# KiCad board r1_panel.kicad_pcb (continued)
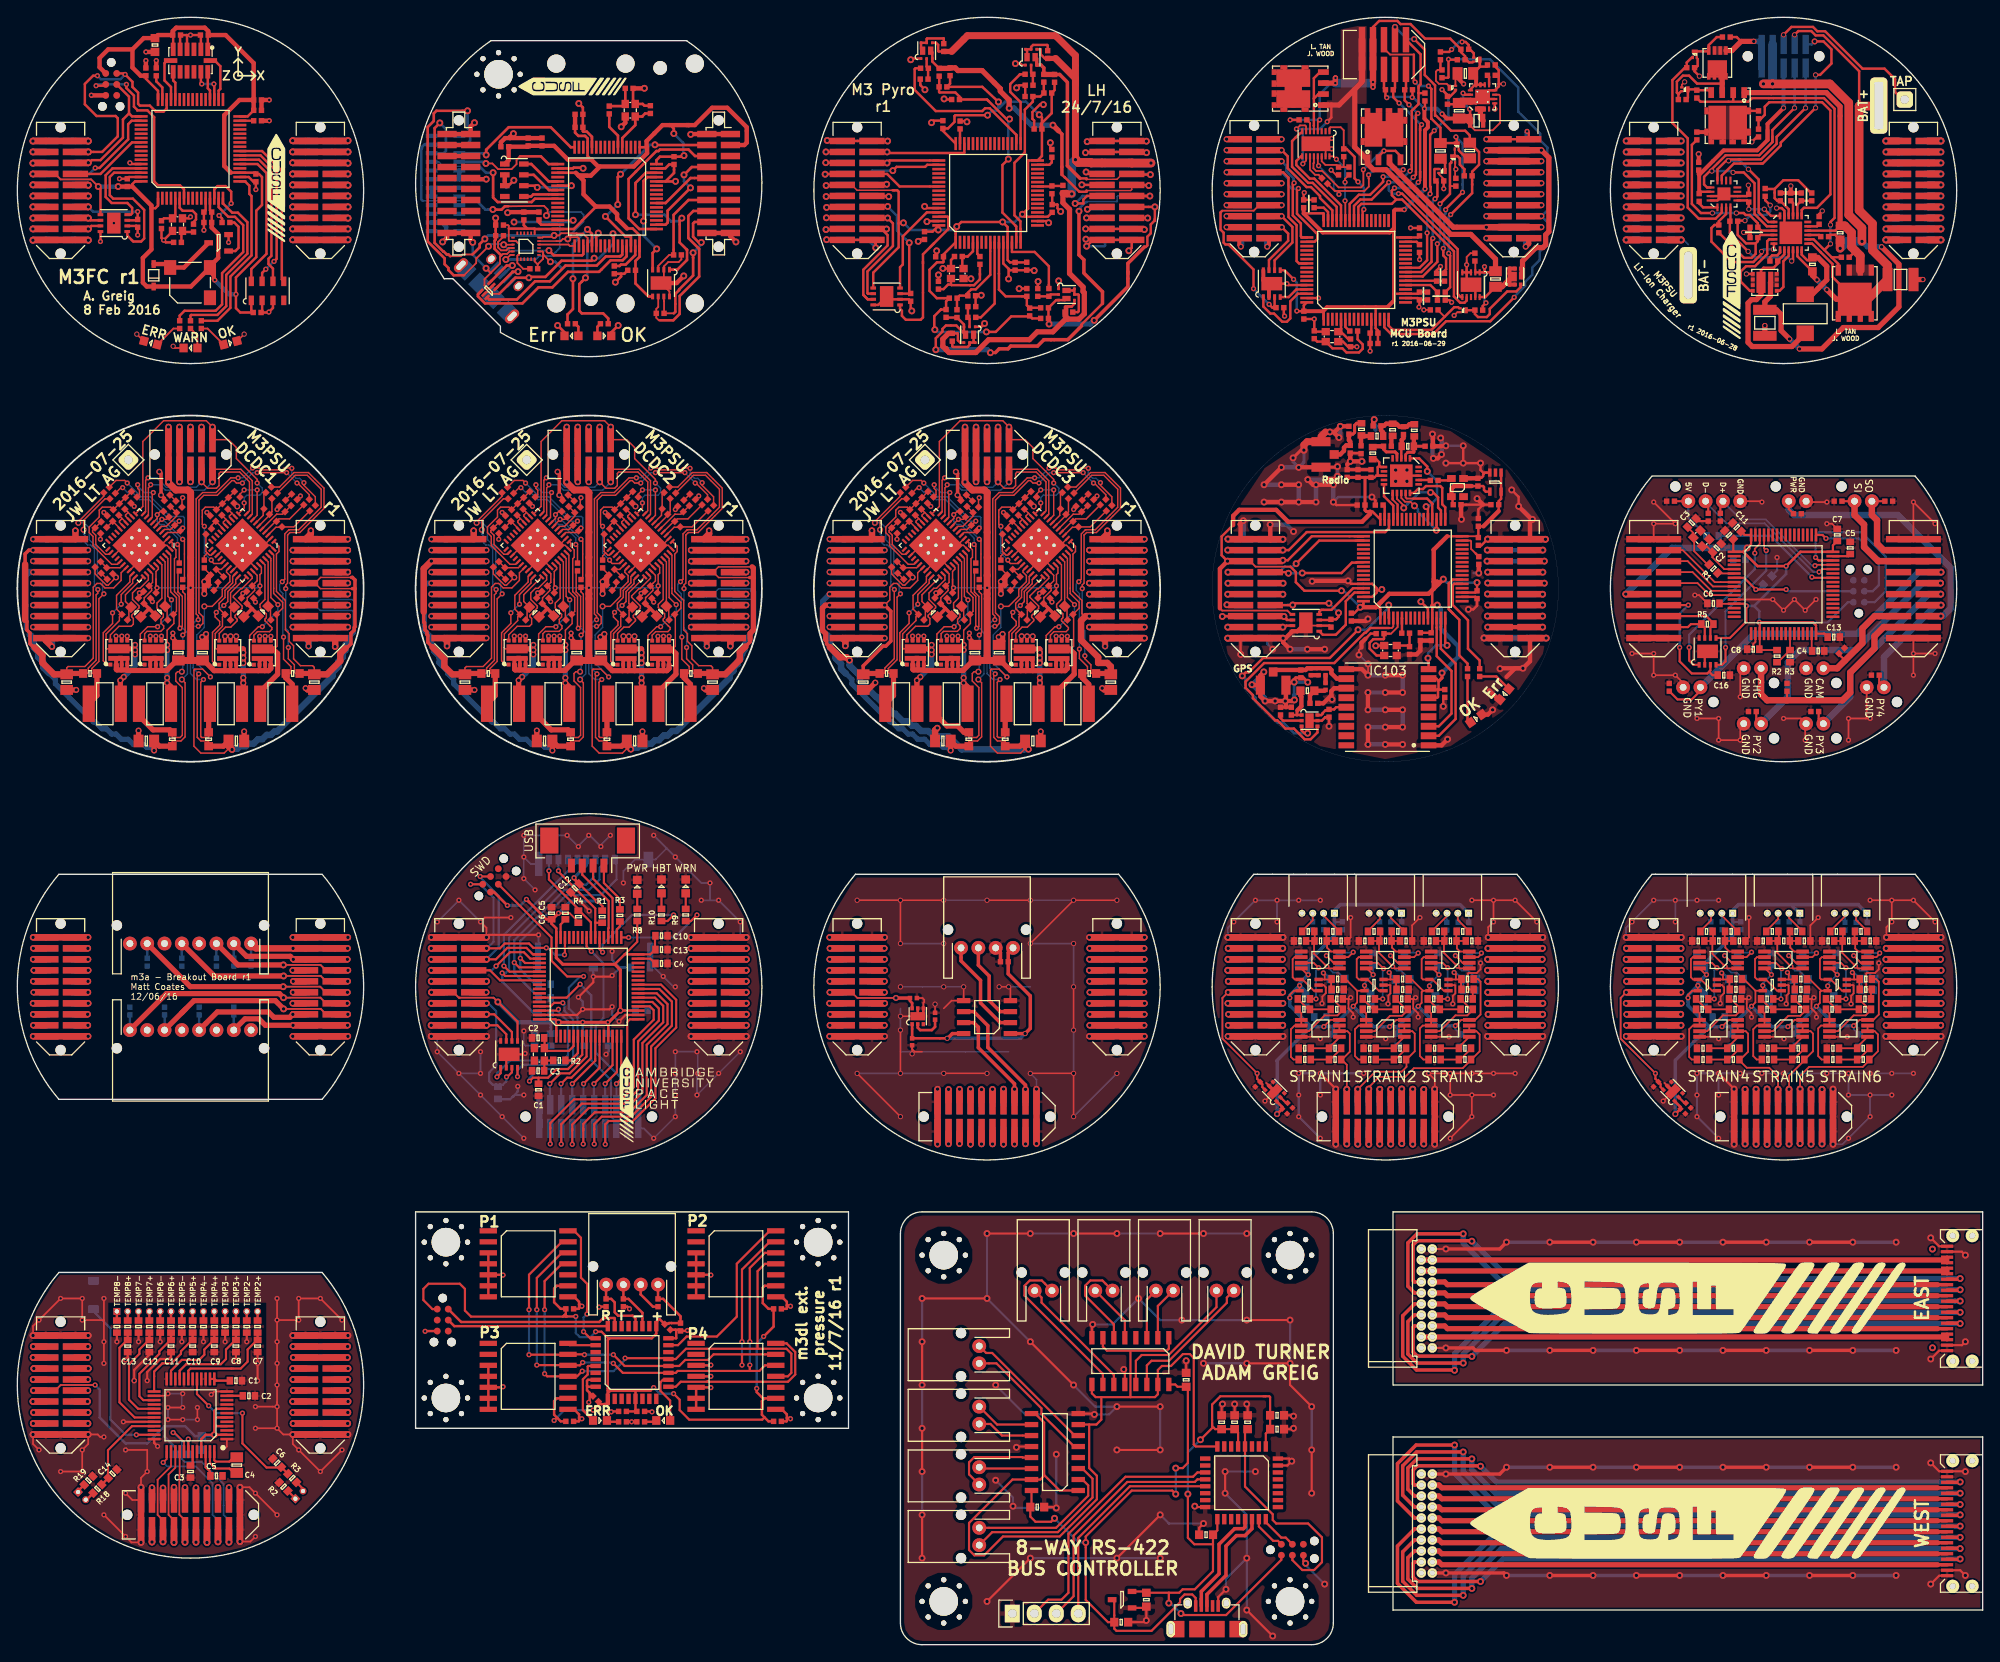
[diagram p0: board, top side]
## Routing (per net, layer and track width the routed paths; a pad name or vN(x,y) marks a point on that pad's centre or on a via; arc(x,y) is an arc through that point) (continued)
/BARO_SDI: length 23.1
  Top w0.28: v3(29.65,159.8) 29.95,160.1 29.95,170.19 28.09,172.05 IC1.23 ; IC2.7 28.28,158.47 v3(28.7,158.9)
  Top w0.3: IC1#11.23 61.41,168.04 59.65,169.8 IC3#4.7
  Bottom w0.28: v3(28.7,158.9) 29.6,159.8 v3(29.65,159.8)
/BARO_SDO: length 24.5
  Top w0.28: IC2.6 29.53,158.97 29.01,159.49 29.01,160.11 29.34,160.44 29.34,170.12 27.91,171.55 IC1.22
  Top w0.3: IC1#11.22 62.43,168.55 v1(64,168.55) ; IC3#4.6 59.85,168.55 v1(60.05,168.35)
  Bottom w0.3: v1(64,168.55) 63.8,168.35 v1(60.05,168.35)
/BATT1: length 66.8
  Top w0.2: 161.3,183.7 158.55,183.7 157.85,184.4 J3#2.6
  Top w0.28: 164.37,173.87 R14#8.1 ; R14#8.1 Q6.D 166.25,174.09 v3(166.16,174.18) ; R14#8.1 164.37,175.25 163.32,176.3 163.32,177.14 163.32,179.73 v3(162.99,180.06) ; v3(166.92,167.79) 164.98,165.85 ; 164.98,165.85 164.98,165.79 ; 164.98,165.85 164.98,165.78 v3(164.97,165.77) ; v3(161.45,180.52) 161.3,180.67 161.3,183.7 ; J3#6.1 217.75,178.5 216.88,179.37 216.88,180.85 215.66,182.07 213.12,182.07 208.8,186.39 207.9,186.39 207.4,186.89 204.91,186.89 v4(204,185.98) ; v3(164.7,161.3) 164.7,160.49 165.02,160.17 165.02,158.89 164.84,158.71 164.84,158.43
  Top w0.74: v2(20,140.68) J3#3.6 ; v2(66,140.68) J3#4.6 ; v2(112,140.68) J3#5.6
  Bottom w0.28: v3(166.16,174.18) 166.92,173.42 v3(166.92,167.79) ; v3(161.45,180.52) 161.91,180.06 v3(162.99,180.06) ; J6#11.6 v4(204,185.98) ; v3(164.97,165.77) 164.97,165.35 164.8,165.18 164.8,161.4 v3(164.7,161.3)
  Bottom w0.74: J6#9.6 v2(66,140.68) ; J6#10.6 v2(112,140.68) ; J6#8.6 v2(20,140.68)
/BATT1_MONITOR: length 4.5
  Top w0.28: 160.34,157.57 IC1#12.22 163.88,157.57 R20#4.1 R19#8.2
/BATT2: length 128.7
  Top w0.2: Q5#2.D 214.13,153.53 Q5#2.D ; Q5#2.D 212.86,154.8 Q5#2.D ; Q5#2.D 211.59,154.8 Q5#2.D ; Q5#2.D 210.32,153.53 Q5#2.D ; 212.73,178.4 212.73,177.75
  Top w0.28: R13#8.1 168.83,172.44 168.83,170.97 168.03,170.17 R12#8.1 168.03,168.65 ; R13#8.1 167.76,173.55 ; R13#8.1 167.49,173.51 ; R13#8.1 167.7,173.51 ; R13#8.1 167.76,174.37 167.23,174.9 165.59,174.9 163.87,176.62 163.75,176.62 163.75,180.14 162.56,181.33 162.56,184.26 v2(161.34,185.48) ; v3(165.55,165.21) 168.03,167.69 168.03,168.65 ; 212.14,155.44 Q5#2.D 209.64,158.02 209.64,159.51 208.28,160.87 208.28,160.87 207.3,161.85 IC1#13.13 ; R14#9.2 205.6,160.4 IC1#13.11 ; v4(205.27,185.98) 205.7,186.41 207.2,186.41 207.7,185.91 208.6,185.91 212.73,181.78 212.73,178.12 ; v3(165.33,160.74) 165.33,160.63 165.49,160.47 165.49,156.82 R17#9.1 ; J3#2.8 v2(159.12,186.88) ; 168.03,168.65 168.03,168.79
  Top w0.6: 213.48,154.19 Q5#2.D ; Q5#2.D 210.69,153.9 ; Q5#2.D 212.23,155.43 ; Q5#2.D 212.02,155.23 ; Q5#2.D 210.67,155.44 ; Q5#2.D 210.1,155.44 v4(209,156.53) ; Q5#2.D 213.74,155.44 ; v4(207.86,157.67) 207.33,158.2 R14#9.2 ; R14#9.2 207.34,158.66 ; R14#9.2 207.44,158.66 ; Q5#2.D 210.32,153.44
  Top w0.74: J3#5.8 v2(113.27,140.68) ; J3#4.8 v2(67.27,140.68) ; J3#3.8 v2(21.27,140.68)
  Top w1: 213.74,155.44 C7#12.1 216.01,159.35 214.27,161.09 214.27,164.16 212.73,165.7 212.73,177.75 215,177.75
  Bottom w0.28: v3(165.55,165.21) 165.33,164.99 v3(165.33,160.74) 165.33,160.74 ; v2(159.12,186.88) 160.52,185.48 v2(161.34,185.48) ; 205.27,185.78 J6#11.8 v4(205.27,185.98)
  Bottom w0.6: v4(207.86,157.67) v4(209,156.53)
  Bottom w0.74: v2(21.27,140.68) J6#8.8 ; v2(67.27,140.68) J6#9.8 ; v2(113.27,140.68) J6#10.8
/BATT2_MONITOR: length 5
  Top w0.28: IC1#12.21 163.21,157.07 R17#9.2 R18#5.1
/BEEPER: length 7.7
  Top w0.28: v3(24.7,166.5) 24.7,167.85 24.05,168.5 23.12,168.5 22.75,168.13 IC1.14 ; v3(23.3,165.1) 23.65,164.75 R1.1
  Bottom w0.28: v3(23.3,165.1) v3(24.7,166.5)
/BLEED_BATT1: length 15.1
  Top w0.28: IC1#12.24 162.15,158.57 163.35,159.76 163.35,162.31 v3(163.49,162.46) ; Q7.G 163.73,170.47 163.68,170.43 163.68,169.27 R22#6.1 164.02,168.93 164.02,167.3 v3(163.75,167.03)
  Bottom w0.28: v3(163.75,167.03) 163.49,166.77 v3(163.49,162.46)
/BLEED_BATT2: length 17.6
  Top w0.2: 165.47,171.04 165.62,171.19 Q3#5.G 165.62,171.19 ; R21#6.1 165.47,168.5
  Top w0.28: 162.33,158.07 164.01,159.75 v3(164.01,161.83) ; 162.33,158.07 162.35,158.07 ; 162.33,158.07 IC1#12.23 ; v3(164.32,166.45) 165.47,167.6 165.47,171.08 165.62,171.22 Q3#5.G
  Bottom w0.28: v3(164.01,161.83) 164.01,161.84 164.32,162.15 v3(164.32,166.45)
/CAN+: length 153.3
  Top w0.2: 75.83,153.8 R5#12.1 74.7,155.2 74.68,155.22 IC2#10.7
  Top w0.25: IC2#6.7 194.9,117.5 R5#6.2 193.3,117.9 192.96,117.56 J1#7.18 ; IC2#3.7 56.48,70.53 55.45,71.56 v1(54.2,71.56) 54.32,71.68
  Top w0.28: 146.05,163.75 v2(146.05,163.75) 146.78,163.02 146.78,162.18 144.57,159.97 IC3#5.7 ; v2(192.18,163.55) 192.18,163.56 ; v1(100.39,163.54) 100.38,163.56 J9.18 99.81,163.56 100.52,162.84 100.52,161.64 97.71,158.84 97.71,155.94 ; v1(8.2,163.55) 8.55,163.9 IC3.7 ; J101.18 146.17,117.56 v1(146.18,117.55) 146.4,117.55 146.58,117.72 147.28,117.72 ; 98.22,155.42 IC2#2.7 ; 98.22,155.42 97.71,155.94 ; 98.22,155.42 97.71,155.94
  Top w0.3: 75.83,153.8 76,153.97 76,156.05 76.44,156.49 76.44,156.55 78.05,158.17 78.05,160.23 78.05,160.23 v1(78.05,160.8) ; J2#7.18 78.23,164.35 78.05,164.18 78.05,162.65 78.7,162 v1(79,162)
  Top w0.4: 221.79,9.24 J2#8.18 ; J1#8.18 6.72,117.55 v2(8.18,117.55) ; v2(100.18,117.55) 98.72,117.55 J1#10.18 ; v2(54.18,117.55) 52.72,117.55 J1#9.18
  Top w0.6: J1#11.18 146.05,163.75 ; 221.79,9.24 164.53,9.24 164.21,9.56 J1#13.18
  Top w0.74: v1(8.2,163.55) 8.2,163.56 J1.18 ; J1#4.18 v1(192.16,71.56) ; J1#2.18 v1(54.2,71.56) ; J1#3.18 v1(146.16,71.56) ; J1#6.18 v1(8.16,25.56) ; v2(100.16,71.56) J1#16.18 ; J1#5.18 v2(8.16,71.56)
  Top w0.8: 192.18,163.56 J1#12.18
  Bottom w0.28: v2(146.05,163.75) 146.05,163.75 ; 192.18,163.56 v2(192.18,163.55) ; v1(146.18,117.55) 144.37,117.55 J102.18 ; v1(100.39,163.54) 98.38,163.54 J10.18
  Bottom w0.3: v1(79,162) 79,161.75 v1(78.05,160.8)
  Bottom w0.4: 100.18,117.56 v2(100.18,117.55) ; 8.18,117.56 v2(8.18,117.55) ; 54.18,117.56 v2(54.18,117.55)
  Bottom w0.6: 146.05,163.75 J2#15.18
  Bottom w0.7: J2#12.18 8.18,117.56 ; J2#13.18 54.18,117.56 ; J2#14.18 100.18,117.56
  Bottom w0.74: J3#8.18 v1(146.16,71.56) ; J3#12.18 v2(100.16,71.56) ; J2#11.18 8.2,163.56 v1(8.2,163.55) ; v1(54.2,71.56) J3#7.18 ; J3#10.18 v2(8.16,71.56) ; J3#9.18 v1(192.16,71.56) ; v1(8.16,25.56) J3#11.18
  Bottom w0.8: J2#16.18 192.18,163.56
/CAN-: length 165.9
  Top w0.2: IC2#10.6 74.03,154.53 73.8,154.31 R5#12.2 73.8,153.29 74.09,153 74.23,153 ; 146.26,118.83 v1(146.3,118.78)
  Top w0.25: IC2#3.6 57.13,70.78 55.08,72.82 v1(54.2,72.82) 54.28,72.82 ; IC2#6.6 195.55,117.55 R5#6.1 195.9,118 195.08,118.83 J1#7.16
  Top w0.28: v2(146.03,165.03) 147.27,163.78 147.27,161.98 145.22,159.93 145.22,158.78 ; 192.18,164.82 v2(192.18,164.82) ; v1(8.2,164.8) 8.45,164.55 IC3.6 ; v1(146.3,118.78) 146.63,118.45 146.63,118.38 147.28,118.38 ; J101.16 146.26,118.83 ; IC2#2.6 98.25,156.07 98.19,156.13 98.19,158.64 101.13,161.58 101.13,164.2 v1(100.52,164.81) 98.73,164.81 J9.16 99.81,164.82
  Top w0.3: 74.23,153 75.77,153 76.5,153.73 76.5,155.8 78.75,158.05 78.75,161.25 77.5,162.5 77.5,165.05 78.08,165.62 J2#7.16
  Top w0.4: v2(54.18,118.82) 54.18,118.83 J1#9.16 ; J1#8.16 8.18,118.83 v2(8.18,118.82) ; 221.79,10.51 J2#8.16 ; v2(100.18,118.82) 100.18,118.83 J1#10.16
  Top w0.6: v2(146.03,165.03) 144.57,165.03 ; v2(146.03,165.03) 144.57,165.03 ; v2(146.03,165.03) 144.57,165.03 ; v2(146.03,165.03) 144.57,165.03 ; 221.79,10.51 164.53,10.51 164.21,10.82 J1#13.16
  Top w0.74: J1#3.16 v1(146.13,72.82) ; J1#2.16 v1(54.2,72.82) ; v2(100.18,72.82) J1#16.16 ; J1#6.16 v1(8.18,26.82) ; J1.16 8.18,164.82 v1(8.2,164.8) ; J1#4.16 v1(192.13,72.82) ; J1#5.16 v2(8.13,72.82)
  Top w0.8: J1#12.16 192.18,164.82
  Bottom w0.2: 144.41,118.78 J102.16
  Bottom w0.28: v2(192.18,164.82) 192.18,164.82 ; J10.16 100.51,164.82 v1(100.52,164.81) ; v1(146.3,118.78) 144.41,118.78
  Bottom w0.4: 98.37,118.82 J2#14.16 ; 52.37,118.82 J2#13.16 ; 6.37,118.82 J2#12.16
  Bottom w0.6: v2(146.03,165.03) 144.22,165.03
  Bottom w0.7: v2(8.18,118.82) 6.37,118.82 ; v2(54.18,118.82) 52.37,118.82 ; v2(100.18,118.82) 98.37,118.82
  Bottom w0.74: J3#9.16 v1(192.13,72.82) ; v1(8.2,164.8) 8.18,164.82 J2#11.16 ; v1(54.2,72.82) J3#7.16 ; J3#10.16 v2(8.13,72.82) ; J3#8.16 v1(146.13,72.82) ; J3#11.16 v1(8.18,26.82) ; J3#12.16 v2(100.18,72.82)
  Bottom w0.8: 192.18,164.82 J2#16.16
/CAN_RXD: length 82.5
  Top w0.2: v3(202,126.4) 201.75,126.65 IC1#7.61
  Top w0.25: 57.78,66.65 v3(57.78,65.62) ; v3(197.3,115.2) 197.3,113.6 196.9,113.2 IC2#6.4 ; IC1#3.61 61.6,73.75 62,74.15 v3(63,74.15)
  Top w0.28: IC3#5.4 146.84,155.68 147.73,156.57 IC1#12.61 ; 12.7,166.55 12.7,166.55 ; 12.7,166.55 13.26,165.99 13.26,165.36 13.1,165.2 IC3.4 ; 12.7,166.55 10.9,166.55 10.2,167.25 10.2,169.75 11,170.55 IC1.61 ; 150.53,119.03 IC102.4 150.38,119.33 150.6,119.55 151.78,119.55 154.28,122.05 IC101.61 155.46,122.07 ; IC1#2.61 105.05,165.46 102.28,162.69 102.28,159.45 101.96,159.13 IC2#2.4
  Top w0.3: v1(72.33,164.46) 72.33,169.1 72.77,169.54 IC1#11.61 ; v1(73.85,161.25) 73.38,160.78 IC2#10.4
  Bottom w0.25: v3(63,74.15) 63.2,73.95 63.2,73.2 64.2,72.2 64.2,67.8 63.4,67 58.4,67 57.78,66.38 v3(57.78,65.62) ; v3(202,126.4) 202,124.08 197.3,119.38 v3(197.3,115.2)
  Bottom w0.3: v1(73.85,161.25) 72.33,162.78 v1(72.33,164.46)
/CAN_TXD: length 112
  Top w0.2: v3(200.68,126.1) 200.68,126.6 201.25,127.17 IC1#7.62
  Top w0.25: v3(55.4,65.6) 55.83,66.03 IC2#3.1 ; IC1#3.62 62.35,73.25 v3(62.5,73.4) ; IC2#6.1 193.6,113.2 193.1,113.7 v3(193.1,115.2)
  Top w0.28: IC3#5.1 143.92,154.59 144.73,153.78 145.15,153.78 146.1,152.83 146.64,152.83 147.03,153.22 147.03,155.19 147.91,156.07 IC1#12.62 ; 104.6,159.59 104.6,160.62 105.87,161.89 ; 104.6,159.59 104.6,159.78 ; 104.6,159.59 104.6,153.33 104.33,153.05 102.63,153.05 102.17,153.51 102.17,154.1 101.96,154.32 IC2#2.1 ; 105.87,161.89 105.42,161.44 ; 105.87,161.89 107.52,163.54 107.52,164.9 107.45,164.97 107.22,164.97 107.21,164.96 IC1#2.62 ; IC102.1 150.78,116.67 152.29,116.67 153.44,117.82 153.44,120.54 154.45,121.55 IC101.62 ; IC3.1 12.7,162.8 13.24,162.26 13.24,162.26 13.4,162.1 14.3,162.1 14.65,162.45 14.65,165.75 13.35,167.05 11.08,167.05 10.68,167.45 10.68,169.55 11.18,170.05 IC1.62
  Top w0.3: 77.29,161.19 77.35,161.13 ; 77.35,161.13 77.35,159.97 76.23,158.85 IC2#10.1 ; 77.35,161.13 76.5,161.98 76.5,164.55 v1(76.75,164.8) ; IC1#11.62 72.58,170.04 71.4,168.86 v1(71.4,165.2)
  Bottom w0.25: v3(55.4,65.6) 55.4,66 56.9,67.5 63,67.5 63.6,68.1 63.6,72 62.5,73.1 v3(62.5,73.4) ; v3(200.68,126.1) 200.68,124.25 193.1,116.67 v3(193.1,115.2)
  Bottom w0.3: v1(71.4,165.2) 74.74,165.2 75.52,164.42 75.55,164.45 76.4,164.45 v1(76.75,164.8)
/CH1+: length 18.1
  Top w0.25: 31.22,19.78 30.53,20.47 28.78,20.47 26,23.25 v3(26,26.75) ; IC1#6.17 20.75,28.95 v3(22.1,27.6)
  Bottom w0.25: v3(26,26.75) 22.95,26.75 v3(22.1,27.6)
/CH2+: length 12.3
  Top w0.2: 24.7,31.9 25,31.9
  Top w0.25: 27.75,35.25 26.6,34.1 26.6,32.7 25.8,31.9 20,31.9 19.75,31.65 IC1#6.19
  Top w0.28: 27.75,36 27.75,35.25
/CH3+: length 10.3
  Top w0.25: 25.25,35.25 24.1,34.1 24.1,33 23.5,32.4 19.5,32.4 18.75,31.65 IC1#6.21
  Top w0.28: 25.25,36 25.25,35.25
/CH4+: length 8.5
  Top w0.25: IC1#6.23 17.75,31.65 19,32.9 21,32.9 21.6,33.5 21.6,34.1 22.75,35.25
  Top w0.28: 22.75,36 22.75,35.25
/CH5+: length 9.3
  Top w0.25: 15.8,31 15.8,31.05 ; 15.8,31 IC1#6.25 ; 15.8,31 15.8,31.55 16.75,32.5 17.8,32.5 18.9,33.6 18.9,33.9 20.25,35.25
  Top w0.28: 20.25,36 20.25,35.25
/CH6+: length 10.7
  Top w0.25: IC1#6.27 14.55,28.25 14.1,28.7 14.1,31.3 16.4,33.6 16.4,33.9 17.75,35.25
  Top w0.28: 17.75,36 17.75,35.25
/CH7+: length 12
  Top w0.25: IC1#6.29 13.95,27.25 12.9,28.3 12.9,32.4 14.1,33.6 14.1,34.1 15.25,35.25
  Top w0.28: 15.25,36 15.25,35.25
/CH8+: length 13.1
  Top w0.25: IC1#6.31 13.55,26.25 11.8,28 11.8,34.3 12.75,35.25
  Top w0.28: 12.75,36 12.75,35.25
/CH9+: length 10.7
  Top w0.25: 10.47,19.22 10.47,22.47 13.25,25.25 IC1#6.33
  Top w0.28: 9.78,18.53 10.47,19.22
/CHARGE: length 266.7
  Top w0.25: 201.8,112.4 J11#2.1 ; 204.4,109.1 D10.1 ; 201.35,111.25 201.4,111.2
  Top w0.28: v2(215.82,163.55) 215.83,163.56 ; v1(123.4,163.56) 123.41,163.56 J11.17 J11.18 130.1,163.56 v1(130.17,163.48)
  Top w0.4: J2#9.18 222.89,35.51 ; 222.89,35.51 222.85,35.56 ; 222.89,35.51 J2#9.17
  Top w0.5: J4#5.18 J4#5.17 ; v1(169.83,117.55) 169.83,117.56 J103.17 J103.18 176.17,117.56 v1(176.18,117.55)
  Top w0.6: v2(31.85,71.56) 28.65,71.56 27.9,72.3 26.3,72.3 J6#2.7 ; J1#14.17 J1#14.18 222.85,35.56
  Top w0.74: v2(123.86,71.56) J2#10.17 J2#10.18 v2(130.16,71.56) ; v1(38.2,163.55) 38.2,163.56 J3.18 J3.17 31.81,163.56 v1(31.8,163.55) ; J11#2.1 201.4,109.8 202.1,109.1 210.8,109.1 211.7,110 211.7,112.3 214.5,115.1 214.5,116.5 215.56,117.56 J2#6.17 J2#6.18 ; v1(84.2,71.56) J2.18 J2.17 v1(77.81,71.56) ; v1(38.16,25.56) J2#5.18 J2#5.17 v1(31.86,25.56) ; v2(130.18,117.56) 128.72,117.56 J4#3.18 J4#3.17 123.83,117.56 v2(123.82,117.56) ; v2(38.15,71.56) J2#4.18 J2#4.17 v2(31.85,71.56) ; v2(38.18,117.56) 36.72,117.56 J4.18 J4.17 31.83,117.56 v2(31.82,117.56) ; v1(169.85,71.56) J2#2.17 J2#2.18 v1(176.16,71.56) ; v2(84.18,117.56) 82.72,117.56 J4#2.18 J4#2.17 77.83,117.56 v2(77.82,117.56) ; v1(222.16,71.56) J2#3.18 J2#3.17 v1(215.85,71.56)
  Top w0.8: 215.83,163.56 J4#6.17 J4#6.18 222.17,163.56 v2(222.18,163.55)
  Bottom w0.28: 215.83,163.56 v2(215.82,163.55) ; v1(130.17,163.48) 128.44,163.48 J12.18 J12.17 125.63,163.56 v1(123.4,163.56) ; D5#5.1 J6#2.7
  Bottom w0.5: v1(176.18,117.55) 176.17,117.56 J104.18 ; J104.17 169.83,117.56 v1(169.83,117.55)
  Bottom w0.74: v1(84.2,71.56) J4#9.18 J4#9.17 v1(77.81,71.56) ; v1(169.85,71.56) J4#10.17 J4#10.18 v1(176.16,71.56) ; v2(38.15,71.56) J4#12.18 J4#12.17 v2(31.85,71.56) ; v1(31.8,163.55) 31.81,163.56 J4#8.17 J4#8.18 38.2,163.56 v1(38.2,163.55) ; v2(31.82,117.56) 33.63,117.56 J5#6.17 J5#6.18 38.18,117.56 v2(38.18,117.56) ; v2(84.18,117.56) 84.18,117.56 J5#7.18 J5#7.17 79.63,117.56 v2(77.82,117.56) ; v2(123.82,117.56) 125.63,117.56 J5#8.17 J5#8.18 130.18,117.56 v2(130.18,117.56) ; v1(31.86,25.56) J4#13.17 J4#13.18 v1(38.16,25.56) ; v1(222.16,71.56) J4#11.18 J4#11.17 v1(215.85,71.56) ; v2(130.16,71.56) J5#11.18 J5#11.17 v2(123.86,71.56)
  Bottom w0.8: v2(222.18,163.55) 220.37,163.55 J5#10.18 J5#10.17 215.83,163.56
/CHARGER_OL: length 14.5
  Top w0.28: v4(202.83,161.18) 202.89,161.24 IC1#13.6 ; v4(201.46,160.95) 201.45,160.94 201.45,160.67 200.51,159.73 198.03,159.73 195.67,162.09 195.67,163.66 196.02,164.01 R2#13.2 196.52,164.43 197.37,165.28 IC2#12.3
  Bottom w0.28: v4(201.46,160.95) 201.69,161.18 v4(202.83,161.18)
/EN_CHARGER: length 6.1
  Top w0.28: v4(199.99,165.83) 199.98,165.84 199.98,166.66 199.79,166.84 198.67,166.84 ; v4(201.78,165.83) 202.55,165.06 IC1#13.24
  Bottom w0.28: v4(199.99,165.83) v4(201.78,165.83)
/EN_PYRO: length 11.7
  Top w0.2: 164.85,153.4 164.1,154.15 R23#4.1 ; 166.56,154.38 166.43,154.51 Q9.G 166.56,154.38
  Top w0.28: IC1#12.16 158.39,152.37 158.87,151.89 163.34,151.89 165.96,154.51 166.43,154.51
/EN_VEXT: length 24.6
  Top w0.2: Q1#7.G 193.41,183.37
  Top w0.28: 193.41,183.37 192.82,182.78 R6#9.1 192.6,182.18 191.16,180.74 191.16,175.79 192.93,174.02 192.93,166.02 194.21,164.74 196.15,164.74 196.87,165.45 IC2#12.2
/FIRE1: length 9.7
  Top w0.28: 115.81,181.42 R6.2 ; 115.81,181.42 115.75,181.35 ; 115.81,181.42 114.68,180.29 114.68,179.39 115.88,178.19 IC1#2.33
/FIRE2: length 18.5
  Top w0.28: R18.2 103.74,182.11 103.64,182.02 103.64,179.61 106.08,177.17 111.45,177.17 111.77,177.49 112.31,177.49 115.38,174.42 115.38,174.27 ; 115.38,174.27 IC1#2.34 ; 115.38,174.27 115.38,174.44
/FIRE3: length 9.9
  Top w0.28: R19.2 111.29,153.34 112.88,154.93 IC1#2.10 112.89,162
/FIRE4: length 9.1
  Top w0.28: IC1#2.14 114.88,160.89 117.5,160.89 119.14,159.25 R20.2 119.14,157.14
/GPS_RESET_N: length 7.9
  Top w0.28: v1(162.93,113.97) 163,113.9 IC103.9 162.85,112.85 ; IC101.16 164.93,115.67 v1(165.14,115.45)
  Bottom w0.28: v1(162.93,113.97) 162.93,114.54 163.85,115.45 v1(165.14,115.45)
/GPS_RX: length 15
  Top w0.28: IC101.14 163.93,117.49 163.94,117.47 163.94,114.2 165.65,112.49 165.65,107.57 164.18,106.1 IC103.3
/GPS_TX: length 16.3
  Top w0.28: IC103.2 164.18,105 166.12,106.94 166.12,113.36 164.41,115.07 164.41,117.56 164.43,117.58 IC101.15
/JTCK: length 195.2
  Top w0.2: J1#7.6 192.93,125.17 195.85,122.25 IC1#7.9
  Top w0.25: P1#2.4 v3(53.46,88.75) ; v1(54.2,79.18) 55.28,79.18 56.6,80.5 58.8,80.5 59.55,79.75 IC1#3.49
  Top w0.28: 146.03,171.38 v2(146.03,171.37) ; v3(147.47,168.87) 147.32,168.72 147.32,165.11 148.25,164.18 148.25,162.71 148.39,162.57 IC1#12.49 148.87,162.57 ; v2(192.18,171.18) 192.18,171.18 ; IC1#2.49 100.74,171.46 100.46,171.18 J9.6 98.72,171.17 v1(100.46,171.17) ; P1.4 12.9,178.83 12.9,176.9 ; 12.9,176.9 12.2,176.2 12.2,174.1 9.6,171.5 8.6,171.5 8.3,171.2 v1(8.2,171.2) ; 12.9,176.9 13.25,176.55 IC1.49 ; 154.45,128.05 IC101.49 149.52,128.05 146.74,125.28 v1(146.18,125.28) 146.08,125.17
  Top w0.3: 79.64,171.97 78.28,171.97 77.53,172.72 74.23,172.72 74.05,172.55 73.82,172.55 71.44,170.18 71.44,170.17 70.6,169.32 70.6,164.78 71.83,163.54 IC1#11.49
  Top w0.4: v2(54.18,125.17) 54.18,125.17 J1#9.6 ; v2(8.18,125.17) 8.18,125.17 J1#8.6 ; v2(100.18,125.17) 100.18,125.17 J1#10.6 ; 221.79,16.86 J2#8.6
  Top w0.6: J1#11.6 146.03,171.38 ; J1#13.6 164.21,17.18 164.53,16.86 221.79,16.86
  Top w0.74: J1#2.6 v1(54.2,79.18) ; J1#4.6 v1(192.13,79.18) ; J1#3.6 v1(146.13,79.18) ; v1(8.2,171.2) 8.18,171.18 J1.6 ; v2(100.18,79.18) J1#16.6 ; J1#6.6 v1(8.13,33.18) ; J1#5.6 v2(8.18,79.18)
  Top w0.8: 192.18,171.18 J1#12.6
  Bottom w0.25: v1(54.2,79.18) 55.6,80.57 55.6,86.5 53.46,88.65 v3(53.46,88.75)
  Bottom w0.28: 146.03,171.38 v2(146.03,171.37) 146.56,170.84 146.56,170.25 147.4,169.41 147.4,168.94 v3(147.47,168.87) ; 192.18,171.18 v2(192.18,171.18) ; v1(100.46,171.17) 100.46,171.18 J10.6 ; J102.6 144.47,125.28 v1(146.18,125.28)
  Bottom w0.4: 6.37,125.17 J2#12.6 ; 98.37,125.17 J2#14.6 ; 52.37,125.17 J2#13.6
  Bottom w0.6: 146.03,171.38 J2#15.6
  Bottom w0.7: v2(8.18,125.17) 6.37,125.17 ; v2(54.18,125.17) 52.37,125.17 ; v2(100.18,125.17) 98.37,125.17
  Bottom w0.74: J3#12.6 v2(100.18,79.18) ; J2#11.6 8.18,171.18 v1(8.2,171.2) ; J3#8.6 v1(146.13,79.18) ; v1(8.13,33.18) J3#11.6 ; J3#9.6 v1(192.13,79.18) ; J3#7.6 v1(54.2,79.18) ; J3#10.6 v2(8.18,79.18)
  Bottom w0.8: J2#16.6 192.18,171.18
/JTDI: length 157.2
  Top w0.25: IC1#3.50 59.25,79.25 58.5,80 56.9,80 v3(55.3,78.4)
  Top w0.28: v3(147.97,168.23) 147.8,168.06 147.8,165.31 150.01,163.09 150,163.11 150.14,162.97 150.14,162.38 149.83,162.07 IC1#12.50 ; 192.18,169.91 v2(192.18,169.9) ; 154.57,127.55 IC101.50 150.37,127.55 v1(147.7,124.88) ; v3(9,170.6) 9.5,170.6 12.8,173.9 12.8,175.65 13.2,176.05 IC1.50 ; IC1#2.50 105.09,170.96 104.85,170.72 101.55,170.72 v1(101.12,170.29)
  Top w0.3: 73.83,164.05 IC1#11.50 74.87,164.04 75.11,164.28 75.11,165.66 v1(77.75,168.3) ; v1(77,169.8) 77.91,170.7 J2#7.8
  Top w0.4: v2(100.18,123.9) 98.72,123.9 J1#10.8 ; J1#9.8 52.72,123.9 v2(54.18,123.9) ; v2(8.18,123.9) 6.72,123.9 J1#8.8 ; 221.79,15.59 J2#8.8
  Top w0.6: 221.79,15.59 164.53,15.59 164.21,15.91 J1#13.8
  Top w0.74: J1#4.8 v1(192.2,77.91) ; v2(100.2,77.91) J1#16.8 ; J1#5.8 v2(8.2,77.91) ; J1#3.8 v1(146.2,77.91) ; J1#6.8 v1(8.2,31.91)
  Top w0.8: J1#12.8 192.18,169.91
  Bottom w0.25: v3(55.3,78.4) 54.81,77.91 J3#7.8
  Bottom w0.28: v3(147.97,168.23) 147.96,168.22 147.19,168.22 146.8,168.61 146.8,169.31 146.01,170.1 144.22,170.1 ; v2(192.18,169.9) 192.18,169.91 ; 145.11,123.91 J102.8 145.76,123.91 146.39,124.54 147.36,124.54 v1(147.7,124.88) ; J2#11.8 8.3,169.91 8.3,169.9 v3(9,170.6) ; v1(101.12,170.29) 98.75,170.29 J10.8
  Bottom w0.3: v1(77,169.8) 77,169.05 v1(77.75,168.3)
  Bottom w0.4: 8.18,123.91 v2(8.18,123.9) ; 54.18,123.91 v2(54.18,123.9) ; 100.18,123.91 v2(100.18,123.9)
  Bottom w0.7: J2#13.8 54.18,123.91 ; J2#14.8 100.18,123.91 ; J2#12.8 8.18,123.91
  Bottom w0.74: v1(146.2,77.91) J3#8.8 ; J3#11.8 v1(8.2,31.91) ; v2(8.2,77.91) J3#10.8 ; v1(192.2,77.91) J3#9.8 ; J3#12.8 v2(100.2,77.91)
  Bottom w0.8: 192.18,169.91 J2#16.8
/JTDO: length 60.3
  Top w0.2: IC1#7.10 195.65,121.75 193.5,123.91 J1#7.8
  Top w0.25: IC1#3.55 55.75,76.75 54.6,77.91 J1#2.8
  Top w0.28: v1(146.82,123.78) 146.69,123.91 J101.8 ; 145.77,170.1 144.57,170.1 146.21,170.1 146.82,169.49 146.82,164.92 147.76,163.98 147.76,159.84 148.03,159.57 IC1#12.55 ; IC1.55 13.25,173.55 9.61,169.91 J1.8 ; IC101.55 154.69,125.05 154.64,125 154.14,125 152.94,123.8 v1(148.41,123.8) ; IC1#2.55 101.9,168.46 100.46,169.91 J9.8
  Bottom w0.28: v1(146.82,123.78) 148.39,123.78 v1(148.41,123.8)
/JTDR: length 121.3
  Top w0.2: J1#7.10 194.07,122.64 195.45,121.25 IC1#7.11
  Top w0.28: 146.03,168.84 v2(146.03,168.83) ; v2(192.18,168.63) 192.18,168.63 ; v1(100.41,168.72) 100.33,168.63 J9.10 ; J101.10 146.19,122.64 v1(146.2,122.62) ; 54.31,76.75 v1(54.19,76.63)
  Top w0.3: IC1#11.55 74.87,166.54 77.76,169.44 79.64,169.44
  Top w0.4: v2(100.18,122.63) 100.18,122.64 J1#10.10 ; 221.79,14.32 J2#8.10 ; v2(8.18,122.63) 8.18,122.64 J1#8.10 ; J1#9.10 54.18,122.64 v2(54.18,122.63)
  Top w0.6: 221.79,14.32 164.53,14.32 164.21,14.63 J1#13.10 ; J1#11.10 146.03,168.84
  Top w0.74: v1(8.2,168.6) 8.17,168.63 J1.10 ; J1#4.10 v1(192.14,76.63) ; J1#6.10 v2(8.17,30.63) ; J1#3.10 v1(146.14,76.63) ; v2(100.17,76.63) J1#16.10 ; J1#5.10 v2(8.17,76.63) ; J1#2.10 v1(54.19,76.63)
  Top w0.8: 192.18,168.63 J1#12.10
  Bottom w0.28: v2(146.03,168.83) 146.03,168.84 ; 192.18,168.63 v2(192.18,168.63) ; J102.10 144.38,122.62 v1(146.2,122.62) ; J10.10 98.45,168.72 v1(100.41,168.72)
  Bottom w0.4: 98.37,122.63 J2#14.10 ; 52.37,122.63 J2#13.10 ; 6.37,122.63 J2#12.10
  Bottom w0.6: 146.03,168.84 J2#15.10
  Bottom w0.7: v2(100.18,122.63) 98.37,122.63 ; v2(8.18,122.63) 6.37,122.63 ; v2(54.18,122.63) 52.37,122.63
  Bottom w0.74: v1(54.19,76.63) J3#7.10 ; J3#10.10 v2(8.17,76.63) ; J2#11.10 8.17,168.63 v1(8.2,168.6) ; J3#8.10 v1(146.14,76.63) ; J3#9.10 v1(192.14,76.63) ; v2(8.17,30.63) J3#11.10 ; J3#12.10 v2(100.17,76.63)
  Bottom w0.8: J2#16.10 192.18,168.63
/JTMS: length 223.3
  Top w0.2: J1#7.4 192.36,126.44 196.05,122.75 IC1#7.8
  Top w0.25: P1#2.2 v3(52.35,87.85) ; v1(54.2,80.44) 55.75,80.44 56.3,81 59.1,81 59.6,80.5 v3(61.1,80.5) ; v3(63.2,79.7) 63.25,79.75 IC1#3.46
  Top w0.28: 146.03,172.65 v2(146.03,172.65) 146.73,171.95 146.73,170.56 148.9,168.39 149.42,168.39 150.46,167.35 150.46,167.13 151.89,165.7 IC1#12.46 ; 192.17,172.44 v2(192.18,172.43) ; v3(9.25,181.25) 8.75,181.25 7.8,180.3 7.8,177.95 9.15,176.6 11.35,176.6 11.6,176.35 11.6,174.25 9.8,172.45 v1(8.2,172.45) ; J9.4 v1(100.46,172.44) 100.58,172.32 109.32,172.32 109.38,172.38 IC1#2.46 ; J101.4 146.17,126.44 v1(146.18,126.45) 146.85,126.45 148.93,128.53 157.99,128.53 158.43,128.97 IC101.46 ; IC1.46 17.25,177.47 16.88,177.1 16,177.1 15.3,177.8 14.15,177.8 13.95,178 13.95,179.3 13.3,179.95 13.3,180.55 v3(12.45,181.4) 12.33,181.52 P1.2
  Top w0.3: IC1#11.46 70.87,162.64 70.83,162.68 70.24,162.68 v1(67.93,165) ; v1(69.68,169.88) 69.35,169.55 v1(69.35,166.38) ; v1(73.65,173.27) 73.67,173.25 J2#7.4
  Top w0.4: 221.79,18.13 J2#8.4 ; v2(100.18,126.45) 98.72,126.45 J1#10.4 ; J1#8.4 6.72,126.45 v2(8.18,126.45) ; v2(54.18,126.45) 52.72,126.45 J1#9.4
  Top w0.6: J1#11.4 146.03,172.65 ; 221.79,18.13 164.53,18.13 164.21,18.44 J1#13.4
  Top w0.74: J1#4.4 v1(192.16,80.44) ; J1#5.4 v2(8.16,80.44) ; v1(8.2,172.45) 8.2,172.44 J1.4 ; v2(100.15,80.44) J1#16.4 ; J1#3.4 v1(146.16,80.44) ; J1#6.4 v1(8.15,34.44) ; J1#2.4 v1(54.2,80.44)
  Top w0.8: J1#12.4 192.17,172.44
  Bottom w0.25: v3(63.2,79.7) 62.1,79.7 61.3,80.5 v3(61.1,80.5) ; v3(52.35,87.85) 53.45,87.85 55,86.3 55,81.2 54.25,80.44 v1(54.2,80.44)
  Bottom w0.28: v2(146.03,172.65) 146.03,172.65 ; v2(192.18,172.43) 192.17,172.44 ; v3(9.25,181.25) 9.65,180.85 11.9,180.85 v3(12.45,181.4) ; v1(146.18,126.45) 146.17,126.44 J102.4 ; v1(100.46,172.44) J10.4
  Bottom w0.3: v1(73.65,173.27) 73.07,173.27 v1(69.68,169.88) ; v1(67.93,165) 67.98,165 v1(69.35,166.38)
  Bottom w0.4: 100.18,126.44 v2(100.18,126.45) ; 54.18,126.44 v2(54.18,126.45) ; 8.18,126.44 v2(8.18,126.45)
  Bottom w0.6: 146.03,172.65 J2#15.4
  Bottom w0.7: J2#14.4 100.18,126.44 ; J2#12.4 8.18,126.44 ; J2#13.4 54.18,126.44
  Bottom w0.74: v2(8.16,80.44) J3#10.4 ; v1(54.2,80.44) J3#7.4 ; v1(8.2,172.45) 8.2,172.44 J2#11.4 ; J3#12.4 v2(100.15,80.44) ; v1(8.15,34.44) J3#11.4 ; J3#9.4 v1(192.16,80.44) ; J3#8.4 v1(146.16,80.44)
  Bottom w0.8: 192.17,172.44 J2#16.4
/LED1: length 11.4
  Top w0.25: R9#3.1 77.8,83.6 v3(78.5,84.3) ; IC1#3.33 v3(70.6,81.7)
  Bottom w0.25: v3(78.5,84.3) 75.9,81.7 v3(70.6,81.7)
/LED2: length 14
  Top w0.25: v3(75.8,84.3) 75.1,83.6 R10#3.1 ; v3(67.6,80) 67.25,80.35 IC1#3.38
  Bottom w0.25: v3(67.6,80) 67.6,80.9 71,84.3 v3(75.8,84.3)
/LED_GRN: length 49.4
  Top w0.28: 165.83,119.12 165.41,119.54 ; 165.83,119.12 166.55,118.4 166.55,114.29 167.5,113.34 R103.1 ; 165.83,119.12 165.33,119.62 165.33,122.59 165.79,123.05 IC101.22 ; R4.1 23.12,152.95 24.61,154.44 24.61,158.05 27.05,160.49 27.05,167.35 26.8,167.6 26.8,168.55 26.3,169.05 IC1.17
  Top w0.3: v1(65.63,157.9) 64.91,157.18 64.91,154.09 65.2,153.8 67.66,153.8 68.25,153.21 R4#10.1 ; v1(67.1,163.07) 66.87,162.84 IC1#11.38
  Bottom w0.2: 65.83,158.1 v1(65.63,157.9)